# Allegro board BeagleBone_AI-64_Rev_B1_PCB_220602.brd (continued)
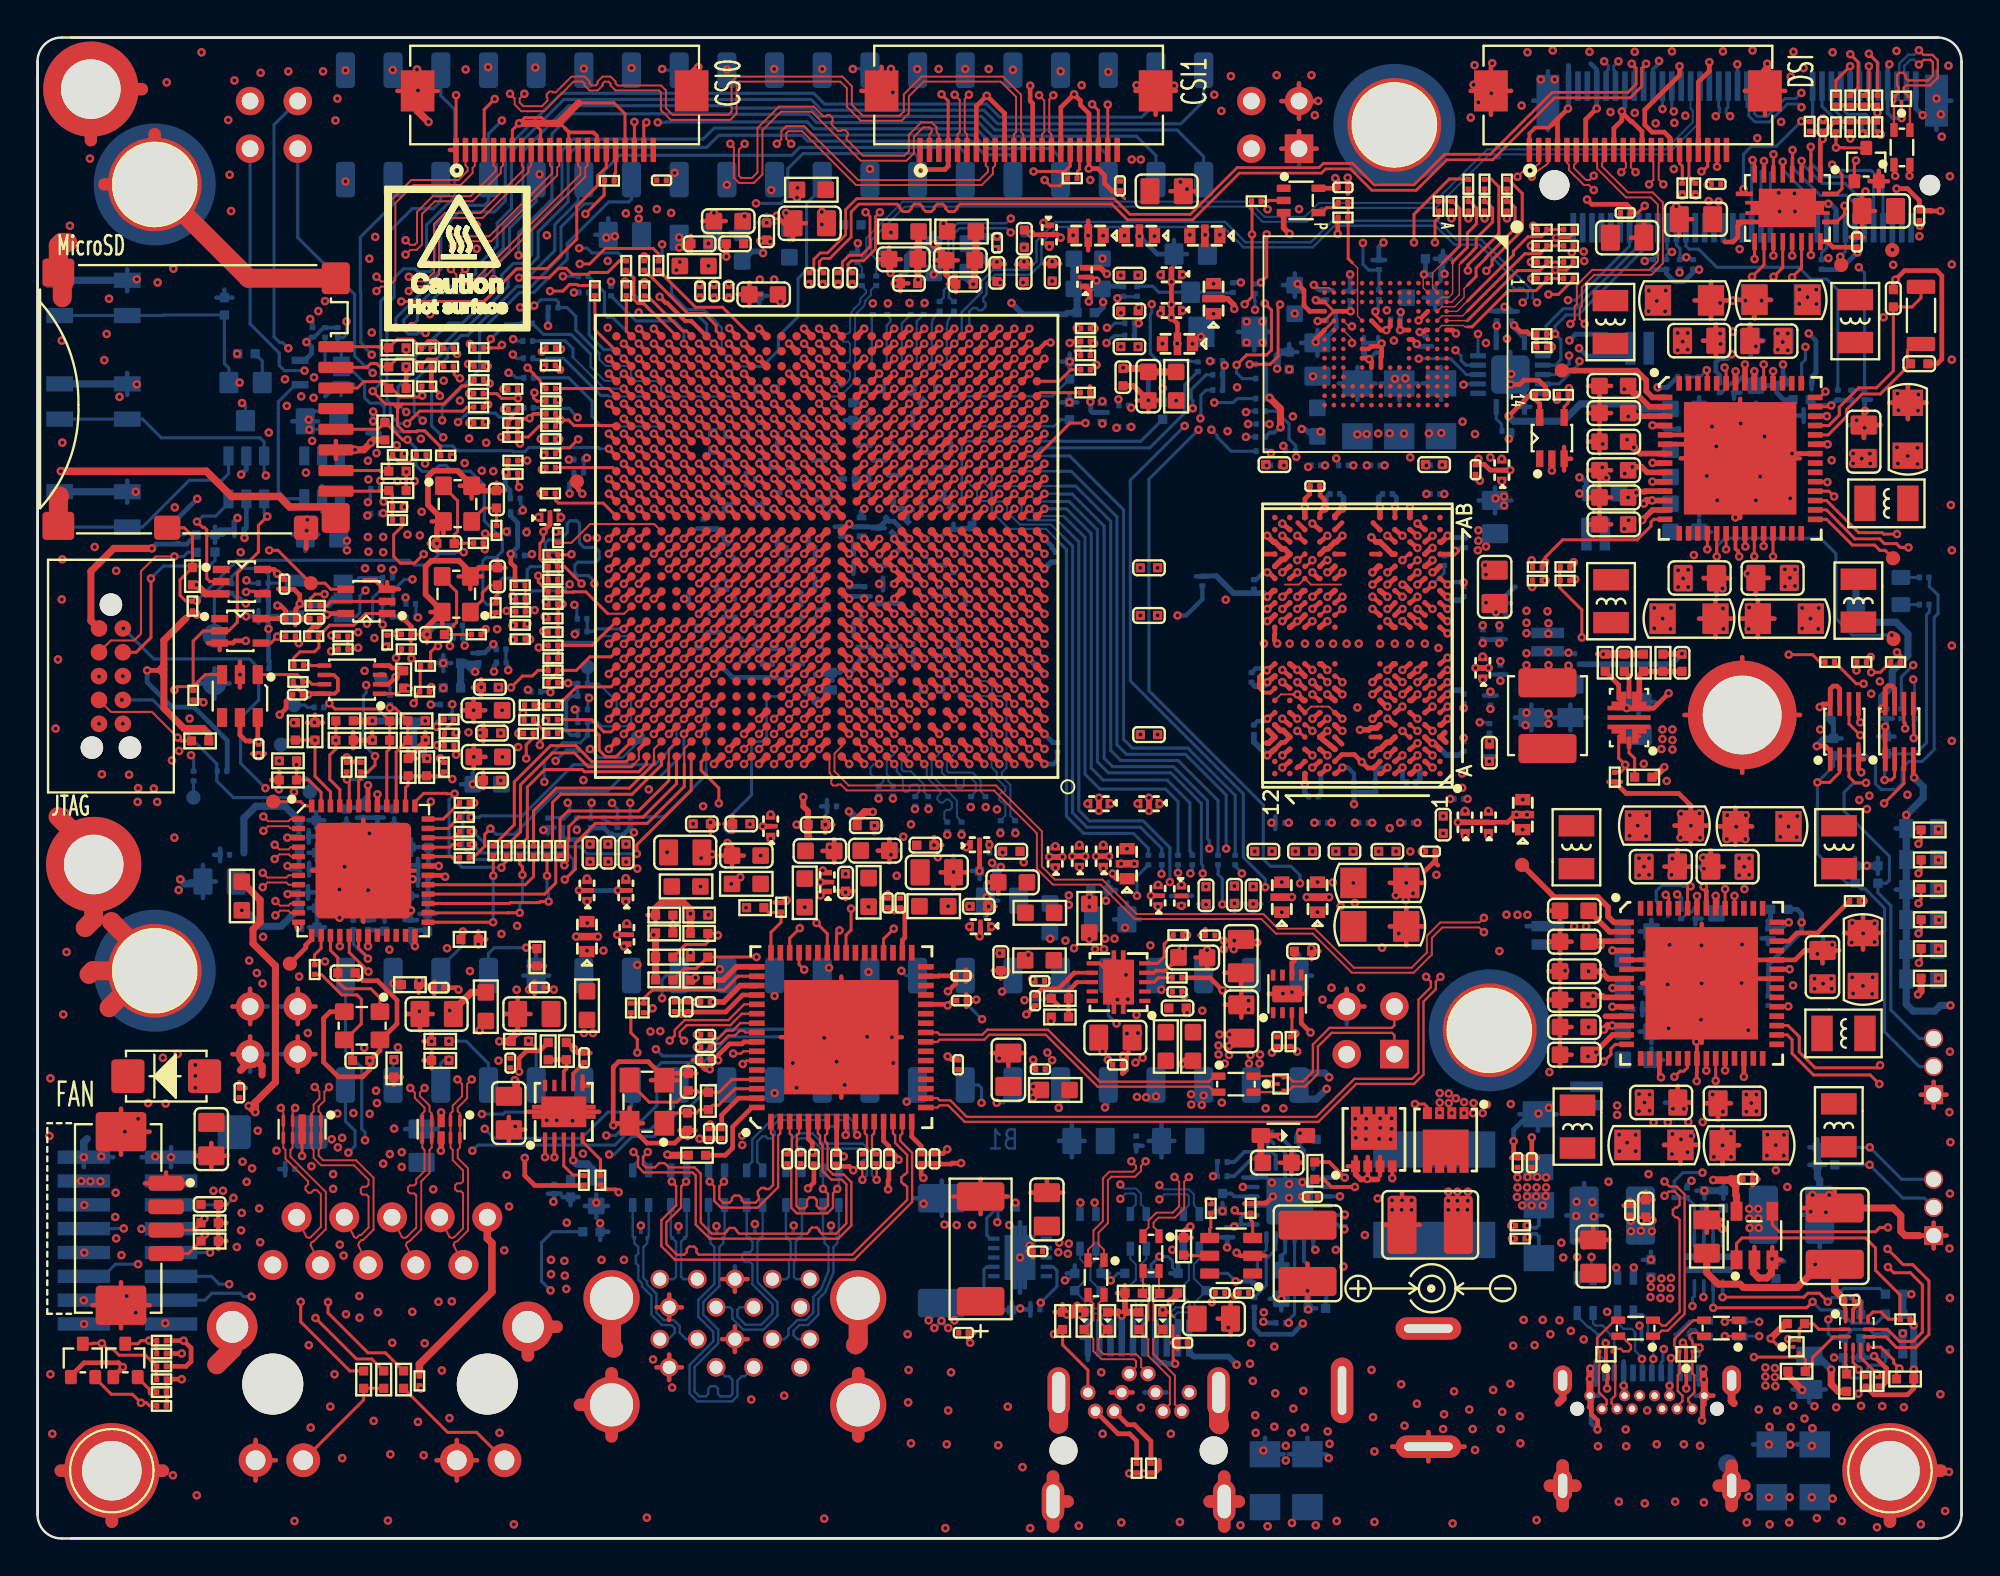
[diagram p0: board, top side]
## Routing (per net, layer and track width the routed paths; a pad name or vN(x,y) marks a point on that pad's centre or on a via; arc(x,y) is an arc through that point) (continued)
GND_CT: length 10.2
  TOP w0.165: R158.1 20.34,8.68
  TOP w0.254: 20.34,8.68 20.34,8.88
  TOP w0.406: J9.1 23.96,15.99 24.2,15.75 24.2,13.15 20.34,9.29 20.34,8.88
GND_EARTH: length 751.2
  TOP w0.406: 90.37,7.2 90.25,7.33 J5.S1 ; J5.S2 81.25,7.45 81.02,7.23 ; J12.S2 15.3,54.98 13.43,54.98 12.88,55.54 10.34,55.54 8.99,56.89 v1(1.24,56.89)
  TOP w0.673: 81.25,1.73 J5.S4 ; J5.S4 80.57,2.81 ; J5.S4 81.92,2.81 ; J5.S4 81.25,3.89 ; 28.9,7.12 J8.21 ; J8.21 30.58,8.8 ; J8.21 30.58,5.44 ; 90.25,1.73 J5.S3 ; J5.S3 89.57,2.81 ; J5.S3 90.92,2.81 ; J5.S3 90.25,3.89 ; 98.68,0.89 MH9.1 101.4,3.61 ; MH3.1 6.68,3.61 ; MH3.1 3.96,0.89 ; MH3.1 1.24,3.61 ; 54.1,0.64 J7.SH2 ; J7.SH2 54.1,3.3 ; J7.SH2 54.87,1.97 ; 26.12,9.75 J9.15 27.65,11.28 ; 63.22,0.64 J7.SH1 ; J7.SH1 64,1.97 ; J7.SH1 62.44,1.97 ; J7.SH1 63.22,3.3 ; 43.72,5.44 J8.20 43.72,8.8 ; 6.24,74.85 MH4.1 3.56,72.17 ; 2.84,74.53 MH1.1 5.56,77.25
  TOP w1.016: J9.16 10.37,10.08 9.55,9.26 ; J12.S4 1.11,68.92 1.27,69.08 1.61,69.08 ; 62.96,6.06 62.92,6.11 J7.SH3 ; J12.S3 1.11,55.51 1.17,55.57 ; 5.78,30.26 MH5.1 6.24,30.58 3.93,32.88 ; 5.78,30.26 2.94,30.26 2.74,30.06 ; 5.78,30.26 3.81,28.29 ; J12.S1 11.24,67.17 MH4.1 ; 1.32,67.47 1.32,66.13 ; 1.09,38.47 2.99,36.57 MH2.1 2.99,33.01 2.54,32.55 ; 54.38,6.09 54.4,6.1 J7.SH4 ; 43.58,10.33 43.72,10.46 J8.19 ; J8.22 30.58,10.25 30.68,10.15
  L2-GND w0.381: 2.99,33.21 MH2.1 5.71,35.93 ; 26.12,9.75 J9.15 27.65,11.28 ; 62.44,1.97 J7.SH1 ; J7.SH1 63.22,3.3 ; J7.SH1 63.22,0.64 ; J7.SH1 64,1.97 ; J5.S4 81.92,2.81 ; J5.S4 81.25,3.89 ; J5.S4 81.25,1.73 ; J5.S4 80.57,2.81 ; 3.96,0.89 MH3.1 ; MH3.1 1.24,3.61 ; MH3.1 6.68,3.61 ; 3.56,72.17 MH4.1 6.24,74.85 ; 43.72,5.44 J8.20 43.72,8.8 ; 2.84,74.53 MH1.1 5.56,77.25 ; 98.68,0.89 MH9.1 101.4,3.61 ; J7.SH2 54.87,1.97 ; J7.SH2 54.1,0.64 ; J7.SH2 54.1,3.3 ; 90.25,1.73 J5.S3 ; J5.S3 89.57,2.81 ; J5.S3 90.92,2.81 ; 30.58,5.44 J8.21 ; J8.21 30.58,8.8 ; J8.21 28.9,7.12
  L2-GND w0.406: 81.05,7.23 81.25,7.43 J5.S2
  L2-GND w1.016: MH6.1 72.28,76.12 ; 72.28,76.12 72.28,76.62 73.89,78.22 ; 72.28,76.12 70.56,77.84 ; 62.99,6.11 62.92,6.19 J7.SH3 ; 54.38,6.11 54.4,6.13 J7.SH4 ; 5.91,30.26 MH5.1 6.24,30.53 4.04,32.73 ; 5.91,30.26 3.99,28.34 ; 5.91,30.26 3.01,30.26 2.87,30.12 ; 1.04,38.5 1.04,38.39 2.99,36.43 MH2.1 3.5,35.42 3.5,33.52 2.61,32.63 ; 43.56,10.3 43.72,10.46 J8.19 ; 30.6,10.13 30.58,10.15 J8.22 ; J9.16 10.37,10.08 9.52,9.24
  L4-GND w0.381: J5.S4 81.25,3.89 ; J5.S4 80.57,2.81 ; J5.S4 81.92,2.81 ; J5.S4 81.25,1.73 ; 2.99,33.21 MH2.1 5.71,35.93 ; J5.S3 90.92,2.81 ; J5.S3 89.57,2.81 ; J5.S3 90.25,1.73 ; J7.SH2 54.1,3.3 ; J7.SH2 54.1,0.64 ; J7.SH2 54.87,1.97 ; 28.9,7.12 J8.21 ; J8.21 30.58,8.8 ; J8.21 30.58,5.44 ; 5.56,77.25 MH1.1 2.84,74.53 ; 3.96,0.89 MH3.1 ; MH3.1 1.24,3.61 ; MH3.1 6.68,3.61 ; 98.68,0.89 MH9.1 101.4,3.61 ; 43.72,5.44 J8.20 43.72,8.8 ; 3.56,72.17 MH4.1 6.24,74.85 ; J7.SH1 64,1.97 ; J7.SH1 63.22,0.64 ; J7.SH1 62.44,1.97 ; J7.SH1 63.22,3.3 ; 26.12,9.75 J9.15 27.65,11.28
  L4-GND w0.406: J5.S2 81.25,7.45 81.02,7.23
  L4-GND w1.016: 5.91,30.26 2.99,30.26 2.84,30.12 ; 5.91,30.26 3.96,28.31 ; 5.91,30.26 MH5.1 6.24,30.53 4.04,32.73 ; J8.22 30.58,10.2 30.66,10.13 ; 43.56,10.3 43.72,10.46 J8.19 ; 54.35,6.11 54.4,6.16 J7.SH4 ; 1.61,37.81 2.99,36.43 MH2.1 3.5,35.42 3.5,33.69 2.56,32.76 ; 9.55,9.26 10.37,10.08 J9.16 ; 62.99,6.09 62.92,6.16 J7.SH3 ; 70.46,78.1 70.46,77.17 MH6.1 73.78,76.85 73.78,78.32
  L6-GND w0.381: 54.1,0.64 J7.SH2 ; J7.SH2 54.1,3.3 ; J7.SH2 54.87,1.97 ; J5.S3 90.92,2.81 ; J5.S3 90.25,3.89 ; J5.S3 90.25,1.73 ; J5.S3 89.57,2.81 ; MH3.1 6.68,3.61 ; MH3.1 3.96,0.89 ; MH3.1 1.24,3.61 ; 6.24,74.85 MH4.1 3.56,72.17 ; J5.S4 81.92,2.81 ; J5.S4 81.25,1.73 ; J5.S4 81.25,3.89 ; J5.S4 80.57,2.81 ; 62.44,1.97 J7.SH1 ; J7.SH1 63.22,0.64 ; J7.SH1 64,1.97 ; J7.SH1 63.22,3.3 ; 27.65,11.28 J9.15 26.12,9.75 ; 101.4,3.61 MH9.1 98.68,0.89 ; 28.9,7.12 J8.21 ; J8.21 30.58,8.8 ; J8.21 30.58,5.44 ; 5.56,77.25 MH1.1 2.84,74.53 ; 43.72,8.8 J8.20 43.72,5.44 ; 2.99,33.21 MH2.1 5.71,35.93
  L6-GND w0.406: 81.02,7.23 81.25,7.45 J5.S2 ; J5.S1 90.25,7.33 90.37,7.2
  L6-GND w1.016: J7.SH3 62.92,6.19 62.99,6.11 ; 5.91,30.26 2.94,30.26 2.79,30.12 ; 5.91,30.26 3.96,28.31 ; 5.91,30.26 MH5.1 6.24,30.55 4.09,32.71 ; 30.63,10.15 30.58,10.2 J8.22 ; 73.61,78.38 73.61,76.67 MH6.1 70.94,76.69 70.94,78.45 ; 43.53,10.3 43.72,10.49 J8.19 ; J9.16 10.37,10.11 9.52,9.26 ; 1.39,37.76 2.99,36.16 MH2.1 3.5,35.42 3.5,33.24 2.66,32.4 ; J7.SH4 54.4,6.1 54.4,6.09
  L7-PWR/GND w0.381: 90.25,1.73 J5.S3 ; J5.S3 89.57,2.81 ; J5.S3 90.92,2.81 ; 2.99,33.21 MH2.1 5.71,35.93 ; 3.56,72.17 MH4.1 6.24,74.85 ; 3.96,0.89 MH3.1 ; MH3.1 1.24,3.61 ; MH3.1 6.68,3.61 ; J5.S4 81.92,2.81 ; J5.S4 80.57,2.81 ; J5.S4 81.25,1.73 ; 98.68,0.89 MH9.1 101.4,3.61 ; 5.56,77.25 MH1.1 2.84,74.53
  L7-PWR/GND w1.016: 5.88,30.26 MH5.1 6.24,30.58 4.11,32.71 ; 5.88,30.26 2.94,30.26 2.69,30.01 ; 5.88,30.26 3.93,28.31 ; 1.61,37.81 2.99,36.43 MH2.1 3.5,35.42 3.5,33.34 ; 73.43,78.4 73.43,76.49 MH6.1 70.89,76.74 70.89,78.27
  L8-PWR/GND w0.381: 3.56,72.17 MH4.1 6.24,74.85 ; J5.S3 90.92,2.81 ; J5.S3 90.25,1.73 ; J5.S3 89.57,2.81 ; 81.25,1.73 J5.S4 ; J5.S4 80.57,2.81 ; J5.S4 81.92,2.81 ; 1.24,3.61 MH3.1 ; MH3.1 6.68,3.61 ; MH3.1 3.96,0.89 ; 5.71,35.93 MH2.1 2.99,33.21 ; 101.4,3.61 MH9.1 98.68,0.89 ; 2.84,74.53 MH1.1 5.56,77.25
  L8-PWR/GND w1.016: 1.61,37.81 2.99,36.43 MH2.1 3.5,35.42 3.5,33.59 2.16,32.25 ; 4.06,32.76 6.24,30.58 MH5.1 5.91,30.26 ; 73.63,78.4 73.63,76.7 MH6.1 70.74,76.89 70.74,78.3 ; 2.72,29.94 3.04,30.26 5.91,30.26 ; 5.91,30.26 3.96,28.31
  L9-PWR/GND w0.381: 3.96,0.89 MH3.1 ; MH3.1 1.24,3.61 ; MH3.1 6.68,3.61 ; 5.71,35.93 MH2.1 2.99,33.21 ; 3.56,72.17 MH4.1 6.24,74.85 ; J5.S4 81.92,2.81 ; J5.S4 81.25,1.73 ; J5.S4 80.57,2.81 ; 2.84,74.53 MH1.1 5.56,77.25 ; 101.4,3.61 MH9.1 98.68,0.89 ; 89.57,2.81 J5.S3 ; J5.S3 90.92,2.81 ; J5.S3 90.25,1.73
  L9-PWR/GND w1.016: 73.38,78.45 73.38,76.44 MH6.1 70.84,76.79 70.84,78.4 ; 3.55,28.26 5.55,30.26 5.19,30.26 3.27,32.17 ; 2.97,32.71 3.5,33.24 3.5,35.42 MH2.1 2.99,36.43 1.61,37.81
  L11-GND w0.381: 63.22,0.64 J7.SH1 ; J7.SH1 64,1.97 ; J7.SH1 63.22,3.3 ; J7.SH1 62.44,1.97 ; 30.58,5.44 J8.21 ; J8.21 30.58,8.8 ; J8.21 28.9,7.12 ; J5.S3 90.92,2.81 ; J5.S3 90.25,1.73 ; J5.S3 90.25,3.89 ; J5.S3 89.57,2.81 ; 1.24,3.61 MH3.1 ; MH3.1 6.68,3.61 ; MH3.1 3.96,0.89 ; 6.24,74.85 MH4.1 3.56,72.17 ; 26.12,9.75 J9.15 27.65,11.28 ; 80.57,2.81 J5.S4 ; J5.S4 81.92,2.81 ; J5.S4 81.25,1.73 ; J5.S4 81.25,3.89 ; 98.68,0.89 MH9.1 101.4,3.61 ; 5.71,35.93 MH2.1 2.99,33.21 ; 5.56,77.25 MH1.1 2.84,74.53 ; 43.72,5.44 J8.20 43.72,8.8 ; J7.SH2 54.1,3.3 ; J7.SH2 54.87,1.97 ; J7.SH2 54.1,0.64
  L11-GND w0.406: 90.35,7.2 90.25,7.31 J5.S1 ; J5.S2 81.25,7.45 81.02,7.23
  L11-GND w1.016: 54.38,6.09 54.4,6.1 J7.SH4 ; J9.16 10.37,10.11 9.52,9.26 ; 62.99,6.11 62.92,6.19 J7.SH3 ; 43.58,10.35 43.72,10.49 J8.19 ; 3.3,32.73 3.5,32.93 3.5,35.42 MH2.1 2.99,36.43 1.61,37.81 ; 3.55,28.52 5.3,30.26 5.8,30.26 3.68,32.38 ; J8.22 30.58,10.15 30.66,10.08 ; 70.64,78.45 70.64,76.99 MH6.1 73.63,76.7 73.63,78.53
  L13-GND w0.406: J5.S2 81.25,7.45 81.02,7.23 ; J5.S1 90.25,7.33 90.37,7.2
  L13-GND w0.635: 62.44,1.97 J7.SH1 ; J7.SH1 64,1.97 ; J7.SH1 63.22,0.64 ; J7.SH1 63.22,3.3 ; 26.12,9.75 J9.15 27.65,11.28 ; J5.S3 90.25,3.89 ; J5.S3 89.57,2.81 ; J5.S3 90.92,2.81 ; J5.S3 90.25,1.73 ; J5.S4 81.92,2.81 ; J5.S4 81.25,1.73 ; J5.S4 80.57,2.81 ; J5.S4 81.25,3.89 ; 28.9,7.12 J8.21 ; J8.21 30.58,8.8 ; J8.21 30.58,5.44 ; 54.1,0.64 J7.SH2 ; J7.SH2 54.1,3.3 ; J7.SH2 54.87,1.97 ; 101.4,3.61 MH9.1 98.68,0.89 ; 1.24,3.61 MH3.1 ; MH3.1 6.68,3.61 ; MH3.1 3.96,0.89 ; 43.72,5.44 J8.20 43.72,8.8
  L13-GND w1.016: 54.38,6.11 54.4,6.13 J7.SH4 ; J8.22 30.58,10.2 30.71,10.08 ; 43.56,10.28 43.72,10.44 J8.19 ; J9.16 10.37,10.08 9.55,9.26 ; 62.96,6.11 62.92,6.16 J7.SH3
  BOTTOM w0.406: 90.37,7.2 90.25,7.33 J5.S1 ; J5.S2 81.25,7.45 81.02,7.23
  BOTTOM w0.673: 89.57,2.81 J5.S3 ; J5.S3 90.92,2.81 ; J5.S3 90.25,3.89 ; J5.S3 90.25,1.73 ; 98.68,0.89 MH9.1 101.4,3.61 ; J7.SH1 64,1.97 ; J7.SH1 62.44,1.97 ; J7.SH1 63.22,0.64 ; J7.SH1 63.22,3.3 ; 43.72,5.44 J8.20 43.72,8.8 ; J7.SH2 54.1,3.3 ; J7.SH2 54.87,1.97 ; J7.SH2 54.1,0.64 ; 3.96,0.89 MH3.1 ; MH3.1 1.24,3.61 ; MH3.1 6.68,3.61 ; J8.21 30.58,8.8 ; J8.21 30.58,5.44 ; J8.21 28.9,7.12 ; J5.S4 81.25,3.89 ; J5.S4 81.25,1.73 ; J5.S4 81.92,2.81 ; J5.S4 80.57,2.81 ; 27.65,11.28 J9.15 26.12,9.75
  BOTTOM w1.016: 30.68,10.13 30.58,10.23 J8.22 ; J8.19 43.72,10.46 43.56,10.3 ; J7.SH3 62.92,6.16 62.96,6.11 ; 54.38,6.11 54.4,6.13 J7.SH4 ; J9.16 10.37,10.08 9.55,9.26
  vias: v1(0.68,24.53) v1(0.63,21.45) v1(0.68,8.75) v1(0.79,5.58) v1(0.96,43.17) v1(1.09,46.85) v1(1.29,63.85) v1(1.32,58.41) v1(1.32,52.19) v1(1.29,50.05) v1(1.37,27.93) v1(1.47,38.68) v1(1.55,31.26) v1(1.73,69.97) v1(2.79,73.55) v1(6.88,77.61) v1(7.21,3.37) v1(8.48,2.3) v1(8.74,79.21) v1(13.69,0.93) v1(18.67,0.96) v1(25.37,0.75) v1(32.46,1.11) v1(41.91,1.06) v1(48.36,0.55) v1(52.88,0.55) v1(55.47,0.68) v1(57.73,0.85) v1(60.86,0.88) v1(64.08,0.7) v1(65.53,0.65) v1(66.83,0.83) v1(68.1,0.7) v1(69.21,0.93) v1(71.22,0.88) v1(75.39,0.8) v1(79.86,0.98) v1(84.24,1.96) v1(85.62,1.87) v1(87.24,1.96) v1(88.77,1.92) v1(91.06,0.85) v1(91.16,2.23) v1(92.24,2.19) v1(92.28,0.75) v1(93.34,2.2) v1(93.32,0.85) v1(94.52,2.19) v1(94.79,1.08) v1(95.63,2.12) v1(96.11,0.93) v1(97.99,0.6) v1(100.33,0.75) v1(101.62,1.46) v1(101.83,3.55)
V1V1_VDDUSB: length 18.3
  TOP w0.165: C357.1 35.86,25.52 ; C371.1 41.27,20.56 v1(41.27,20.62) ; C402.1 45.57,20.49 v1(45.87,20.18) ; C397.1 48.94,29.6 48.92,29.58 ; C398.1 48.94,28.67 ; C380.1 42.84,20.47 ; C355.1 35.86,28.6
  TOP w0.254: U20.28 48.43,28.47 v1(48.49,28.41) 48.74,28.67 48.94,28.67 ; U20.13 45.07,21.19 45.35,20.91 45.35,20.51 45.62,20.51 45.87,20.26 v1(45.87,20.18) ; v1(41.27,20.62) 41.27,21.09 41.07,21.3 U20.5 ; U20.31 47.99,29.97 48.02,29.99 48.92,29.99 48.92,29.58 v1(48.5,29.16) ; 35.86,28.6 v1(36.01,28.6) ; 35.86,25.52 36.23,25.52 v1(36.26,25.49) 36.26,25.76 36.86,26.36 37.52,26.36 37.63,26.47 U20.57 ; U20.8 42.57,20.53 42.54,20.49 42.82,20.49 v1(42.95,20.36)
  TOP w0.305: U20.51 37.43,29.47 36.56,28.6 v1(36.01,28.6)
  vias: v1(37.54,21.48) v1(37.54,20.97) v1(53.04,24.09) v1(53.03,23.49)
V3V3_VDD33USB: length 18.8
  TOP w0.165: 45.54,33.6 45.51,33.62 C323.1 ; C247.1 35.77,21.84 C358.1 35.76,21.87 ; 45.74,33.6 45.77,33.62 C381.1 ; C4.1 34.19,28.08 34.21,28.06 ; C356.1 34.39,28.08 34.36,28.06 ; 48.23,20.51 48.21,20.49 C324.1 47.78,20.5 C385.1
  TOP w0.254: U20.63 37.35,23.47 36.45,22.57 36.45,21.86 35.77,21.86 35.76,21.87 35.76,21.99 v1(35.84,22.06) ; v1(48.46,20.74) 48.23,20.51 47.79,20.51 47.78,20.52 47.07,20.52 47.07,20.92 46.57,21.42 U20.16 ; U20.52 37.56,28.97 36.65,28.06 34.36,28.06 v1(34.29,27.98) 34.21,28.06 33.93,28.06 ; U20.34 46.07,31.89 46.2,32.02 46.2,33.42 46.02,33.6 45.74,33.6 v1(45.64,33.49) 45.54,33.6 45.3,33.6 ; v1(52.78,31.11) 52.78,31.06 52.61,30.89 FL22.1 ; C399.1 v1(51.26,31.19)
V4_USBC_INT: length 115.6
  TOP w0.165: U21.6 98.2,10.2 98.88,9.52 98.88,9.36 v1(99.18,9.06) 99.03,8.9 R82.2
  TOP w0.229: v1(51.24,55.68) 51.24,55.68 U19.V4
  L5-SIGNAL w0.102: v1(99.18,9.06) 99.18,9.97 98.93,10.23 98.93,13.63 99.39,14.09 99.39,27.3 100.86,28.77 100.86,43.93 99.11,45.69 v1(98.14,45.69)
  L10-SIGNAL w0.102: v1(51.24,55.68) 51.61,56.06 51.61,57.5 51.84,57.72 53.44,57.72 54.28,58.56 54.28,60.95 55.01,61.69 59.26,61.69 59.52,61.95 63.85,61.95 64.11,62.22 65.28,62.22 65.84,62.78 67.89,62.78 69.26,61.41 73.05,61.41 73.67,62.03 75.49,62.03 76.22,62.76 79.19,62.76 79.8,62.15 82.74,62.15 82.85,62.25 87.65,62.25 88.92,63.52 88.92,64.61 89.28,64.96 94.83,64.96 96.34,63.46 96.34,47.69 97.42,46.61 98,46.61 98.14,46.47 v1(98.14,45.69)
V5_AB25: length 56.8
  TOP w0.165: 27.17,49.8 27.07,49.9 v1(27.07,49.95)
  L8-PWR/GND w0.127: v1(27.07,49.95) 26.21,49.95 25.7,49.45 25.7,47.9 25.98,47.62 25.98,46.96 26.93,46.01 26.93,44.79 27.12,44.6 27.12,44.19 26.89,43.96 26.69,43.96 26.31,43.58 26.31,41.85 26.43,41.73 26.43,41.18 25.78,40.53 25.78,36.29 26.24,35.83 26.24,32.78 24,30.55 24,23.28 24.28,23 24.28,22.29 v1(23.82,21.84)
  L10-SIGNAL w0.102: v1(25.09,62.13) 24.45,61.49 24.45,59.96 25.23,59.19 25.23,58.23 25.63,57.83 25.63,56.58 25.28,56.24 25.28,55.88 25.42,55.74 25.42,53.64 25.88,53.18 25.88,51.15 v1(27.07,49.95)
  BOTTOM w0.165: P9.29 31.64,23.02 31.34,22.72 30.38,22.72 28.98,21.33 24.33,21.33 v1(23.82,21.84) ; R128.2 25.5,61.87 25.37,61.99 25.14,61.99 25.09,62.04 v1(25.09,62.13)
V5_SYS_BOOTMODE5: length 37.4
  TOP w0.165: 27.73,49.8 27.73,49.41 27.74,49.4 27.74,49.01 ; 27.73,49.8 R264.1 ; 27.73,49.8 v1(27.96,49.8) ; R269.1 27.71,49.03 27.74,49.01 ; 27.74,49.01 27.74,48.31 R270.2
  TOP w0.229: U19.V5 50.04,55.29 v1(50.44,55.68)
  L12-SIGNAL w0.102: v1(50.44,55.68) 50.44,55.93 50.05,56.32 50.05,56.64 49.8,56.88 49.49,56.88 49.23,57.13 49.23,57.45 48.99,57.69 48.68,57.69 48.43,57.93 48.43,58.25 48.19,58.49 47.08,58.49 46.83,58.73 46.83,58.99 46.79,59.09 46.59,59.29 46.27,59.29 46.03,59.53 46.03,59.85 45.8,60.08 43.42,60.08 42.64,59.3 42.31,59.3 42.03,59.02 42.03,50.72 41.8,50.49 34.76,50.49 34.28,50.49 34.03,50.23 34.03,49.92 33.81,49.7 30.26,49.7 29.78,50.18 29.05,50.18 29.05,50.18 28.64,50.18 28.63,50.18 28.34,50.18 v1(27.96,49.8)
V6_AE28: length 50
  TOP w0.165: R242.2 25.04,49.39 v1(24.99,49.45)
  L5-SIGNAL w0.102: v1(23.04,30.24) 31.57,30.24 31.61,30.28 31.67,30.28 v1(31.95,30.57)
  L10-SIGNAL w0.102: v1(23.04,30.24) 22.27,31 22.27,38.55 22.78,39.06 22.78,41.83 22.4,42.21 22.05,42.21 21.84,42.41 21.84,43.01 22.5,43.67 22.5,46.17 23.13,46.8 23.13,49.22 23.49,49.58 24.34,49.58 24.48,49.45 v1(24.99,49.45) 24.99,49.84 24.51,50.32 24.51,55.01 25.02,55.51 25.02,56.35 25.28,56.62 25.28,57.38 24.34,58.33 24.34,59.7 24,60.04 23.67,60.04 23.57,60.14 23.57,60.75 23.59,60.77 23.59,61.27 23.57,61.29 23.57,62.81 23.77,63.01 24.65,63.01 25.33,63.69 v1(25.33,63.92)
  BOTTOM w0.165: v1(25.33,63.92) 25.35,63.92 25.45,63.82 R132.2
V6_SYS_BOOTMODE4: length 37.1
  TOP w0.165: 26.01,49.39 26.01,50.07 26,50.08 ; 26.01,49.39 26.4,49.39 v1(26.48,49.48) ; 26.01,49.39 R242.1 ; R241.2 26,50.08 ; 26,50.08 26,50.8 25.99,50.8 R238.1
  TOP w0.229: U19.V6 49.24,55.28 v1(49.64,55.68)
  L12-SIGNAL w0.102: v1(26.48,49.48) 26.88,49.48 26.92,49.52 27.19,49.52 27.32,49.39 29.01,49.39 29.04,49.42 33.78,49.42 33.8,49.4 34.09,49.69 41.8,49.69 42.31,50.2 42.31,54.02 42.95,54.65 42.95,59.07 43.16,59.28 45.8,59.28 46.04,59.04 46.04,58.72 46.29,58.48 46.6,58.48 46.83,58.25 46.83,57.93 47.08,57.69 48.19,57.69 48.43,57.45 48.43,57.13 48.68,56.89 48.99,56.89 49.23,56.65 49.23,56.09 v1(49.64,55.68)
V23_DSI_GPIO1: length 65.9
  TOP w0.165: 87.62,71.7 v1(87.62,71.57)
  TOP w0.229: U19.V23 v1(35.23,55.68)
  L10-SIGNAL w0.102: v1(87.62,71.57) 86.92,71.57 86.8,71.45 83.85,71.45 83.39,70.98 80.26,70.98 79.7,71.54 77.49,71.54 76.71,70.76 76.71,69.87 76.32,69.49 69.87,69.49 69.49,69.1 64.36,69.1 63.29,70.17 61.08,70.17 59.71,71.54 51.08,71.54 48.94,69.4 48.94,67.85 47.57,66.49 44.36,66.49 43.86,65.99 43.86,65.11 42.8,64.05 42.28,64.05 42.07,63.83 42.07,63.57 41.75,63.25 41.48,63.25 41.27,63.03 41.27,62.77 40.95,62.45 40.68,62.45 40.47,62.23 40.47,61.97 39.35,60.85 39.08,60.85 38.87,60.63 38.87,60.37 38.63,60.12 38.37,60.12 38,59.75 38,59.54 37.78,59.32 37.57,59.32 37.28,59.03 37.28,58.82 36.91,58.45 36.68,58.45 36.47,58.23 36.47,58.01 36.18,57.72 35.96,57.72 35.66,57.42 35.66,56.4 35.23,55.97 v1(35.23,55.68)
V24_LED_USR3: length 169.4
  TOP w0.165: R371.1 100.34,32.39 v1(100.2,32.25)
  TOP w0.229: v1(34.44,55.68) 34.84,55.29 U19.V24
  L5-SIGNAL w0.102: v1(80.59,10.89) 81.13,10.89 82.22,9.8 83.13,9.8 83.73,9.2 87.69,9.2 88.57,10.08 90.29,10.08 90.83,10.61 90.83,12.13 92.15,13.45 94.95,13.45 96.54,15.04 96.54,25.67 99.39,28.52 99.39,31.44 v1(100.2,32.25)
  L8-PWR/GND w0.127: v1(15.75,18.63) 15.06,19.32 15.06,20.21 14.3,20.97 14.3,24.65 14.86,25.21 14.86,29.71 13.49,31.08 13.49,33.65 14.07,34.23 14.07,40.15 13.33,40.89 13.33,42.05 13.21,42.18 13.21,43.6 13.38,43.78 13.38,44.87 14.68,46.17 14.68,52.04 16.32,53.68 17.3,53.68 v1(17.6,53.38)
  L12-SIGNAL w0.102: v1(15.75,18.63) 20.42,18.63 21.05,19.27 24.03,19.27 24.56,19.8 25.19,19.8 25.73,19.27 31.34,19.27 32.69,17.92 38.73,17.92 39.22,17.44 42.49,17.44 43.1,16.83 44.08,16.83 46.93,13.99 49.38,13.99 51.07,12.3 51.07,11.87 51.64,11.29 62.86,11.29 63.17,11.6 64.31,11.6 65.05,10.86 67.82,10.86 69.92,12.97 75.92,12.97 78,10.89 v1(80.59,10.89) ; v1(34.44,55.68) 34.01,55.25 33.49,55.25 33.2,54.96 33.2,54.74 32.99,54.53 30.91,54.53 30.4,55.03 26.72,55.03 26.01,54.32 18.6,54.32 17.94,53.66 17.88,53.66 v1(17.6,53.38)
V25_CSI1_GPIO1: length 34.5
  TOP w0.165: J15.17 55.01,73.15 54.73,72.86 v1(53.06,72.86)
  TOP w0.229: U19.V25 v1(33.63,55.68)
  L10-SIGNAL w0.102: v1(53.06,72.86) 49.26,72.86 43.85,67.45 40.91,67.45 40.38,66.93 40.38,65.12 38.51,63.25 38.28,63.25 38.07,63.03 38.07,62.81 37.78,62.52 37.56,62.52 37.27,62.23 37.27,62.01 36.98,61.72 36.66,61.72 36.45,61.51 36.45,61.13 36.24,60.92 35.96,60.92 35.67,60.63 35.67,60.41 35.38,60.12 35.16,60.12 34.87,59.83 34.87,59.61 34.58,59.32 34.36,59.32 34.07,59.03 34.07,58.76 33.76,58.45 33.48,58.45 33.27,58.23 33.27,57.04 33.47,56.85 33.78,56.85 34,56.63 34,56.05 v1(33.63,55.68)
V26_LED_USR4: length 158.4
  TOP w0.165: v1(100.23,30.67) 100.34,30.79 R372.1
  TOP w0.229: U19.V26 v1(32.83,55.68)
  L5-SIGNAL w0.102: v1(100.23,30.67) 99.62,30.06 99.62,28.42 96.77,25.58 96.77,14.95 95.05,13.22 92.24,13.22 91.06,12.04 91.06,10.51 90.39,9.85 88.69,9.85 87.81,8.96 83.61,8.96 83.02,9.55 82.05,9.55 81.3,10.3 v1(79.75,10.3)
  L10-SIGNAL w0.102: v1(18.44,55.26) 18.79,54.91 18.79,54.63 18.97,54.45 18.97,52.61 18.44,52.08 18.16,52.08 17.94,51.86 17.94,48.56 18.31,48.19 18.31,47.82 18.01,47.51 18.01,43.93 18.57,43.37 18.57,32.63 18.01,32.07 18.01,25.94 19.35,24.6 19.35,23 19.78,22.57 19.78,19.93 20.8,18.91 20.8,18.89 v1(21.08,18.61)
  L12-SIGNAL w0.102: v1(32.83,55.68) 32.47,55.32 26.96,55.32 26.96,55.33 26.65,55.33 26.63,55.35 18.92,55.35 18.83,55.26 v1(18.44,55.26) ; v1(79.75,10.3) 79.41,10.65 77.86,10.65 75.82,12.69 69.97,12.69 67.91,10.63 64.96,10.63 64.74,10.85 63.29,10.85 63.09,11.05 56.6,11.05 55.93,10.38 52.23,10.38 51.55,11.07 51.55,11.07 50.84,11.77 50.84,12.17 49.27,13.73 46.86,13.73 44.13,16.46 44.02,16.57 43.01,16.57 42.37,17.21 39.12,17.21 38.64,17.7 32.54,17.7 31.29,18.94 21.41,18.94 v1(21.08,18.61)
V27_EHRPWM0_B: length 62.3
  TOP w0.229: U19.V27 32.43,55.28 v1(32.03,55.68)
  L5-SIGNAL w0.102: v1(32.03,55.68) 31.6,56.12 26.69,56.12 25.98,55.41 21.16,55.41 v1(20.46,54.72)
  L10-SIGNAL w0.102: v1(20.52,59.58) 20.52,59.19 20.79,58.92 20.79,57.97 20.25,57.43 20.25,56.96 20.53,56.68 20.53,55.18 20.46,55.11 v1(20.46,54.72)
  BOTTOM w0.165: P8.13 51.96,73.58 51.79,73.75 50.46,73.75 49.73,74.48 41.03,74.48 40.71,74.79 36.29,74.79 35.65,74.15 28.66,74.15 28.27,73.75 28.27,71.25 26.67,69.65 26.67,68.29 26,67.63 25.48,67.63 25.07,67.22 25.07,66.74 22.79,64.46 22.44,64.46 21.51,63.53 21.51,63.14 20.06,61.69 20.06,60.04 v1(20.52,59.58)
V28_MCASP10_AXR0: length 92.5
  TOP w0.165: v1(93.47,67.23) 93.97,67.73 U32.17
  TOP w0.229: U19.V28 v1(31.23,55.68)
  L5-SIGNAL w0.102: v1(87.78,75.84) 88.21,76.27 91.26,76.27 92.84,74.69 93.39,74.69 94.35,73.74 94.35,69.02 93.84,68.51 93.84,67.6 v1(93.47,67.23)
  L10-SIGNAL w0.102: v1(31.23,55.68) 30.87,56.05 30.87,58.23 31.08,58.45 31.48,58.45 31.67,58.64 31.67,59.03 31.88,59.25 32.28,59.25 32.47,59.44 32.47,59.83 32.68,60.05 33.08,60.05 33.27,60.24 33.27,60.63 33.56,60.92 33.86,60.92 34.07,61.14 34.07,63.94 35.81,65.68 37.03,65.68 37.34,65.98 37.34,67.12 38.15,67.94 39.45,67.94 40.34,68.83 42.29,68.83 42.62,69.16 42.62,70.86 43.84,72.08 44.65,72.08 47.19,74.62 60.41,74.62 63.02,72 67.26,72 68.15,71.11 70.08,71.11 70.33,70.86 73.97,70.86 74.88,71.77 75.31,71.77 77.65,74.11 77.65,74.56 78.46,75.38 85.11,75.38 86.38,76.65 87.36,76.65 87.78,76.23 v1(87.78,75.84)
V29_EHRPWM0_A: length 31.6
  TOP w0.229: U19.V29 v1(30.44,55.68)
  L10-SIGNAL w0.102: v1(44.34,72.99) 44.06,73.27 37.26,73.27 35.33,71.34 31.37,71.34 30.87,70.84 30.87,70.44 29.79,69.36 29.79,57.9 29.84,57.85 29.84,57.34 29.79,57.29 29.79,56.33 v1(30.43,55.68)
  BOTTOM w0.165: P8.19 v1(44.34,72.99)
VBUS_5V0_TYPEA: length 9.6
  TOP w0.203: v1(48.16,11.6) 48.18,11.62 48.18,11.55
  L10-SIGNAL w0.406: J8.1 40.65,9.07 40.13,8.55
  L10-SIGNAL w0.457: 40.65,11.64 J8.10 ; J8.10 39.97,12.32 ; J8.10 40.65,13 ; J8.10 41.33,12.32 ; J8.1 41.33,9.12 ; J8.1 39.97,9.12 ; J8.1 40.65,9.8
  BOTTOM w0.203: 48.17,11.61 48.17,12.3 ; 48.17,11.61 48.17,11.56 v1(48.51,11.22) ; 48.17,11.61 v1(48.16,11.6) v1(47.78,11.22) ; 48.17,12.3 v1(48.84,11.62) ; 48.17,12.3 48.17,12.32 ; C142.1 48.17,12.32 ; 48.17,12.32 v1(47.47,11.62)
VCC_LM5141: length 4.4
  TOP w0.305: v1(66.23,21.39) 66.14,21.48 D41.1
  TOP w0.381: D41.1 65.17,20.14 C453.1
  BOTTOM w0.203: U3.10 66.96,20.66 v1(66.23,21.39) 66.22,21.39
VDD1_LPDDR4_1V8_REG: length 1.4
  TOP w0.305: U30.13 86.03,54.82 v1(85.49,54.28)
  vias: v1(84.53,53.81) v1(84.76,54.27)
VDD_1V1: length 15.1
  TOP w0.165: R244.1 60.98,29.89
  TOP w0.254: v1(63.13,29.21) 62.46,29.89 60.98,29.89 ; v1(53.98,27.58) 54,27.59 R277.1
  L10-SIGNAL w0.305: v1(57.02,25.52) 55.57,25.52 54.33,26.76 54.33,27.23 v1(53.98,27.58)
  L12-SIGNAL w0.254: v1(63.13,29.21) 63.13,28.25 61.31,26.43 57.22,26.43 v1(56.74,25.95)
  vias: v1(29.11,26.94) v1(29.59,26.94) v1(53.8,25.9) v1(54.05,25.49)
VDD_2V5: length 27.1
  TOP w0.165: R243.1 29.11,18.81
  TOP w0.254: v1(25.96,20.29) 25.96,19.35 26.49,18.81 29.11,18.81 ; v1(25.65,24.88) 25.65,25.59 26.05,25.99 26.76,25.99 R166.1
  TOP w0.381: 11.61,23.26 v1(11.61,22.72) 11.58,22.72 v1(11.25,23.05) 11.4,23.05 11.61,23.26 ; 11.61,23.26 12.67,24.32 12.67,30.52 11.48,31.72 11.48,32.48 11.86,32.86 11.86,34.03 FL8.1
  TOP w0.406: C315.1 25.5,23.96 25.5,24.32 25.47,24.32 25.47,24.38 v1(25.42,24.43)
  L10-SIGNAL w0.254: v1(25.96,20.29) 25.96,23.89 v1(25.42,24.43)
  vias: v1(58.49,25.37) v1(58.88,25.62)
VDD_ADC_1V8_3V3: length 1.4
  BOTTOM w0.254: v1(82.14,55.69) 82.34,55.69 82.52,55.86 82.52,56.29 82.24,56.56 v1(82.14,56.56)
  vias: v1(32.65,27.02) v1(33.17,27.04)